# Altium PCB DA14580.PcbDoc
Units mm, origin at the board's own origin, x right, y up, seen from the top; angles counter-clockwise.
Board outline 25.19 x 29.52 mm, 2 copper layers (Top Layer, Bottom Layer); 51 components, 31 nets, 171 pads, 104 vias.
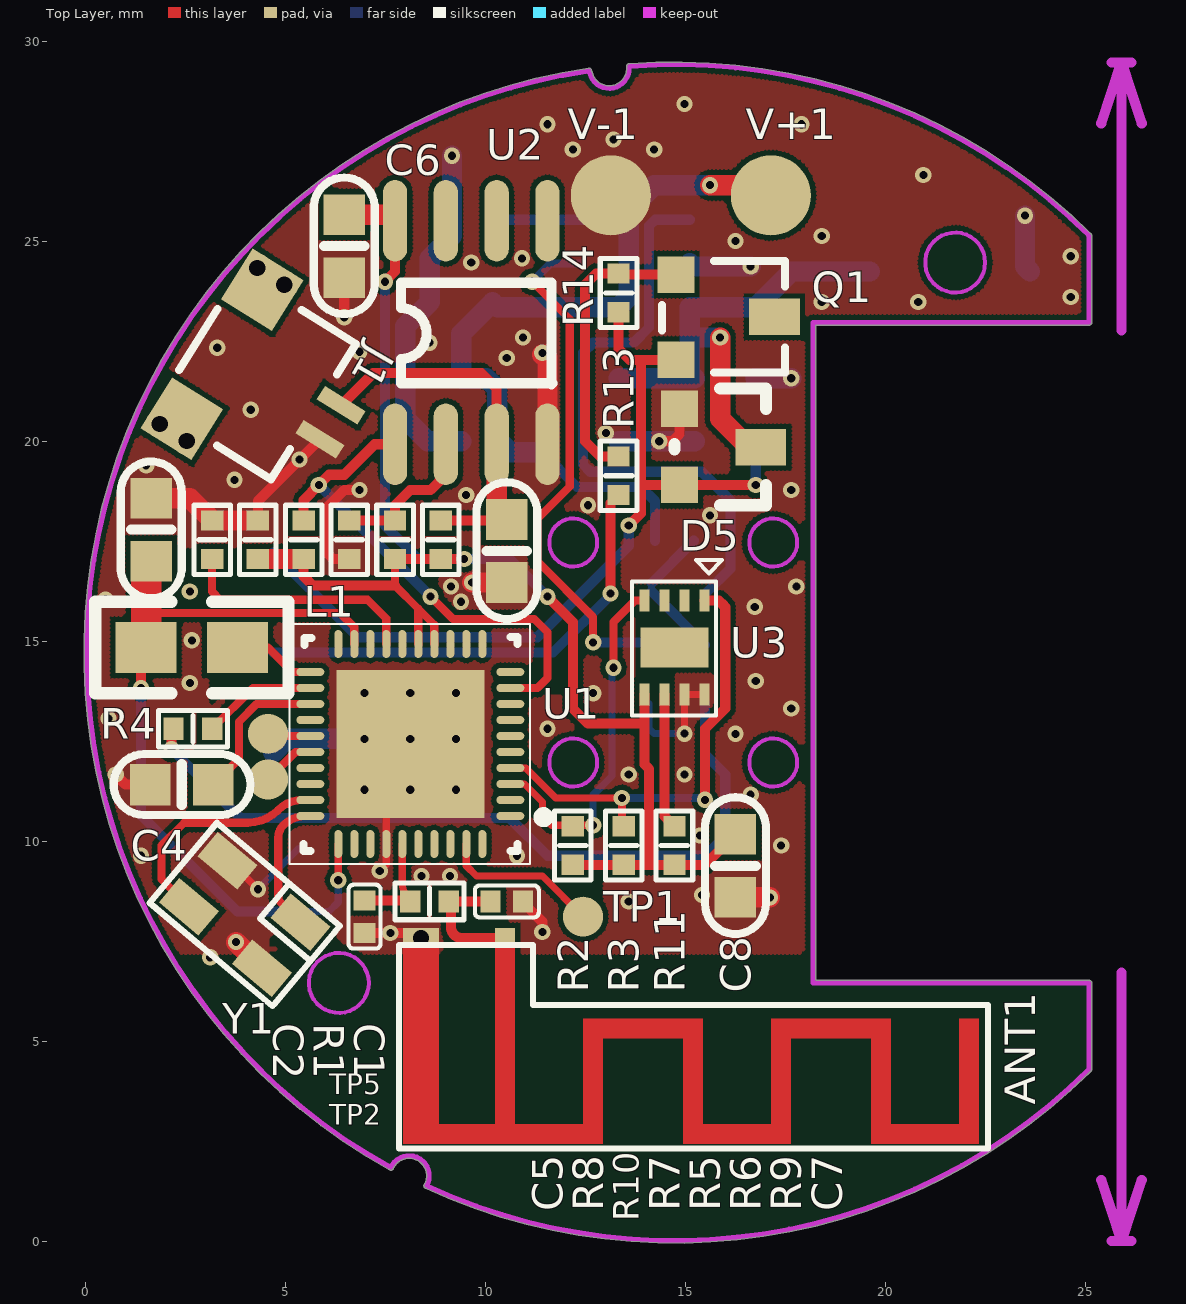
[diagram p0: Top Layer view]
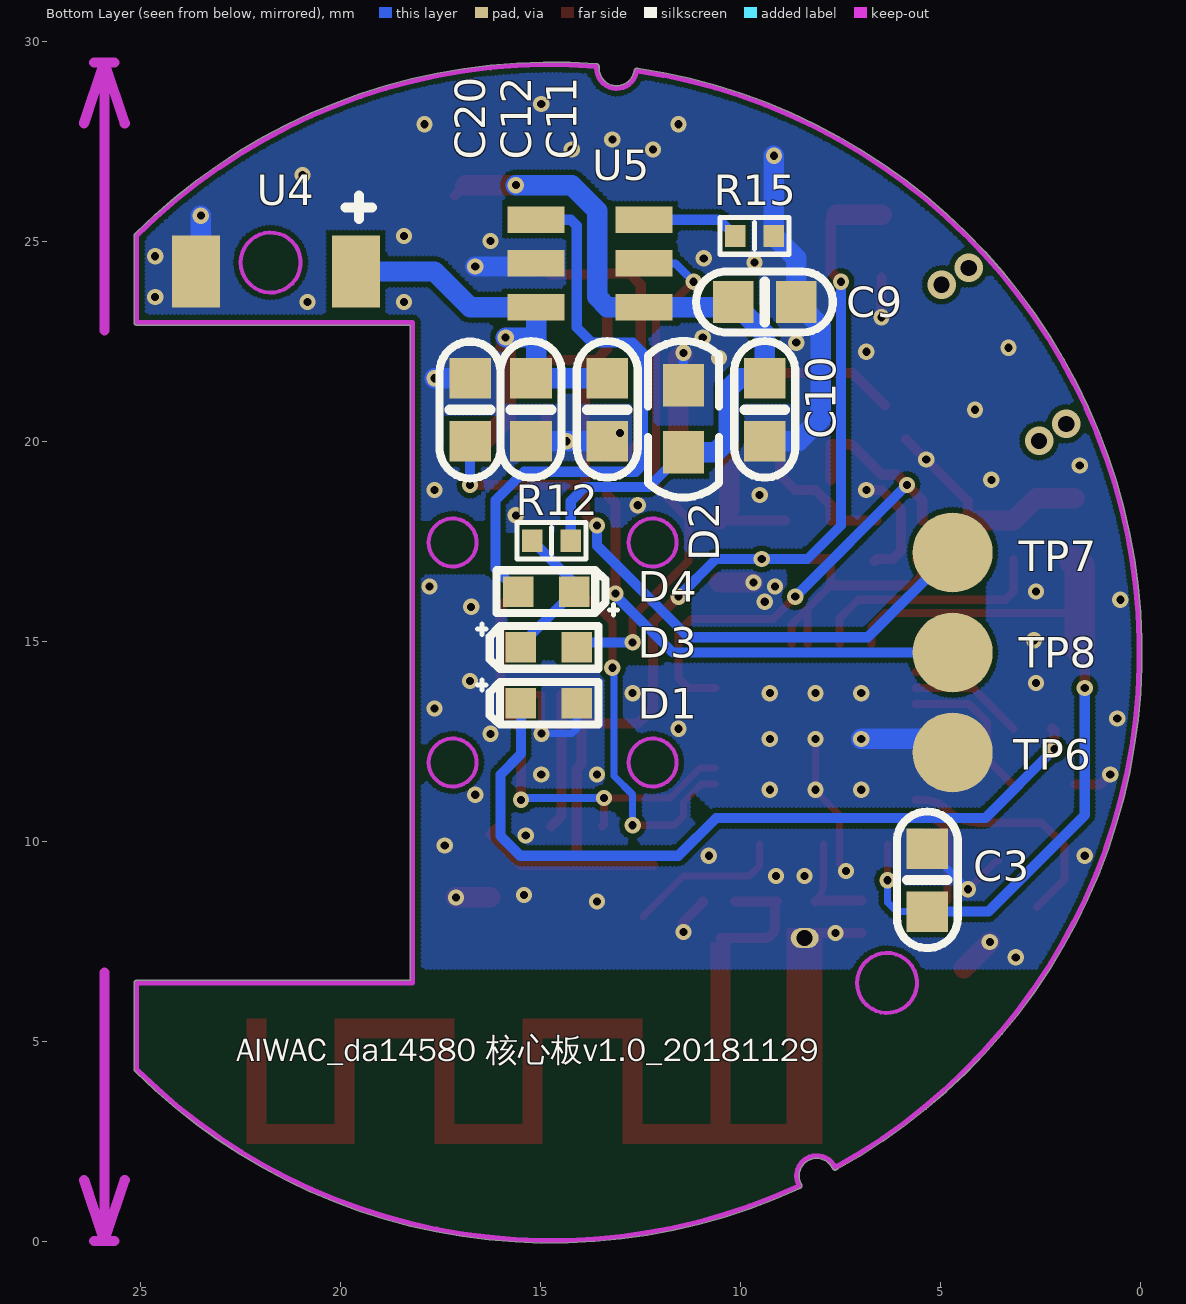
[diagram p1: Bottom Layer view, seen from below]

## Layer stack, top to bottom
Top Solder: solder mask 0.0102, Solder Resist, Dk 3.5
Top Layer: signal copper 0.0356
Dielectric 1: dielectric 0.32, FR-4, Dk 4.8
Bottom Layer: signal copper 0.0356
Bottom Solder: solder mask 0.0102, Solder Resist, Dk 3.5

## Board outline
8.527,1.337 cw(c8.533,1.401) 8.478,1.433 ccw(c8.1,1.651) 8.536,1.651 ccw(c8.1,1.651) 7.703,1.831 cw(c7.645,1.857) 7.6,1.811 cw(c7.605,1.875) 7.574,1.819 cw(c14.732,14.732) 12.585,29.339 cw(c12.595,29.276) 12.659,29.276 cw(c12.595,29.276) 12.658,29.266 cw(c12.614,29.22) 12.676,29.235 ccw(c13.1,29.337) 13.536,29.337 cw(c13.6,29.337) 13.544,29.368 cw(c13.604,29.389) 13.599,29.452 cw(c14.732,14.732) 25.135,25.208 cw(c25.09,25.163) 25.145,25.195 cw(c25.1,25.15) 25.164,25.15 25.164,22.982 cw(c25.1,22.982) 25.1,22.918 18.264,22.918 18.264,6.536 25.1,6.536 cw(c25.1,6.472) 25.164,6.472 cw(c25.1,6.472) 25.161,6.452 25.161,6.451 cw(c25.1,6.431) 25.164,6.431 25.164,4.313 cw(c25.1,4.313) 25.13,4.256 cw(c25.071,4.283) 25.116,4.237 cw(c14.732,14.732) 8.539,1.33 cw(c8.566,1.388)

## Design rules (kind name [scope] priority, off if disabled: settings)
Clearance [All] p1: gap=0.127
HoleToHoleClearance [All] p1: gap=0.152 allowstackedmicrovias=TRUE
MinimumSolderMaskSliver [All] p1: minsoldermaskwidth=0.152
PolygonConnect [All] p1: connectstyle=Direct reliefconductorwidth=0.254 reliefentries=4 polygonreliefangle="90 Angle" airgapwidth=0.254
RoutingVias [All] p1: holewidth=0.203 width=0.406 viastyle="Through Hole" minholewidth=0.203 minwidth=0.406 maxholewidth=0.305 maxwidth=0.61
SilkToSilkClearance [All] p1: silktosilkclearance=0
SilkToSolderMaskClearance [IsPad] p1: minsilkscreentomaskgap=0 clearancetoexposedcopper=TRUE
SolderMaskExpansion [All] p1: expansion=0.102
Width [All] p1: maxlimit=0.508 minlimit=0.203 preferedwidth=0.254
26 further rules are at their usual default settings.

## Components (designator, comment, footprint, x,y, rotation, side; value= is the part's Value field where it differs from the comment)
ANT1 "IPEX" IFA 8.4,7.594 r0 top locked
C1 "NC" C0402 10.541,8.509 r0 top locked
C2 "NC" C0402 6.985,8.128 r90 top locked
C3 "105K16V" C0603 5.334,9.042 r270 bottom locked
C4 "105K16V" C0603 2.413,11.43 r180 top locked
C5 "105K16V" C0603 1.651,17.805 r90 top locked
C6 "105K16V" C0603 6.477,24.892 r270 top locked
C7 "105K16V" C0603 10.541,17.272 r270 top locked
C8 "105K16V" C0603 16.256,9.398 r270 top locked
C9 "105K16V" C0603 9.398,23.495 r180 bottom locked
C10 "105K16V" C0603 9.398,20.803 r270 bottom locked
C11 "105K16V" C0603 13.335,20.803 r270 bottom locked
C12 "105K16V" C0603 15.24,20.803 r270 bottom locked
C20 "105K16V" C0603 16.764,20.803 r90 bottom locked
D1 "LED0603G" HS_0603D 14.795,13.462 r180 bottom locked
D2 "D-TVS" 0603C 11.43,19.739 r90 bottom locked
D3 "LED0603G" HS_0603D 14.795,14.859 r180 bottom locked
D4 "LED0603G" HS_0603D 14.859,16.256 r0 bottom
D5 "65Z5" U-SOT-23-3 14.859,20.828 r270 top locked
J1 "CON2" J-SH1.0-T-1-LT-2A 5.869,20.066 r58 top locked
L1 "2.2UH" 0805 3.81,14.859 r180 top locked
Q1 "AO3401 SOT-23" SOT23-AO3401 16.002,23.114 r270 top locked
R1 "10R" R0402 8.611,8.509 r180 top locked
R2 "4.7K" R0402 12.192,9.906 r270 top locked
R3 "4.7K" R0402 13.462,9.906 r270 top locked
R4 "1K" R0402 2.692,12.827 r180 top locked
R5 "3.6k" R0402 6.604,17.551 r270 top locked
R6 "4.3k" R0402 7.747,17.551 r270 top locked
R7 "10K" R0402 5.461,17.551 r270 top locked
R8 "710K" R0402 3.175,17.551 r270 top locked
R9 "10K" R0402 8.89,17.551 r270 top locked
R10 "7.15K" R0402 4.318,17.551 r270 top locked
R11 "50K" R0402 14.732,9.906 r270 top locked
R12 "1K" R0402 14.732,17.526 r180 bottom
R13 "1M" R0402 13.335,19.152 r90 top locked
R14 "1M" R0402 13.335,23.724 r90 top locked
R15 "2.2K" R0402 9.652,25.146 r0 bottom locked
TP1 "SIP1-1mm" "SIP - 1MM" 12.446,8.128 r90 top locked
TP2 "SIP1-1mm" "SIP - 1MM" 4.572,11.557 r90 top locked
TP5 "SIP1-1mm" "SIP - 1MM" 4.572,12.7 r90 top locked
TP6 "TP" SIP-2MM#1 4.826,11.938 r180 bottom locked
TP7 "TP" SIP-2MM#2 4.064,18.669 r180 bottom locked
TP8 "TP" SIP-2MM#3 3.81,14.732 r180 bottom locked
U1 "DA14580" QFN40P500*500_HS-41N 10.628,10.646 r180 top locked
U2 "LM393" SO-8S 9.652,22.733 r90 top locked
U3 "SHT30" "SHT30 DL7DV9" 14.732,14.859 r270 top locked
U4 "BATTERY" "BAT 4mm" 19.622,24.257 r0 bottom locked
U5 "TP4067" SOT23-6 15.113,25.552 r90 bottom locked
V+1 "TP" SIP-2MM#4 17.78,26.162 r0 top locked
V-1 "TP" SIP-2MM#5 13.462,26.162 r0 top locked
Y1 "CY_3225" CY_3225 4.621,7.238 r140 top locked (schematic designator 1)

## Footprints (in the part's own frame and the unit in brackets; to place one, negate y for a bottom-side part, rotate by r counter-clockwise, add the part's x,y. Pads: shape width x height; smd on the part's side, far side on the other; paste and mask are expansions set on the pad)
0603C [mil]
  rect 42x40 smd: 1(0,0) 2(66,0)
  silkscreen extent -44,-35 109,35
0805 [mil]
  rect 60x50 smd: 1(0,0) 2(90,0)
  silkscreen extent -50,-45 140,45
"BAT 4mm" [mm]
  rect 1.2x1.8 smd: 1(0,0) 2(4,0)
  silkscreen extent -0.41,-1.91 0.25,-1.32
C0402 [mil]
  rect 20x22 smd: 1(-16,0) 2(16,0)
  silkscreen extent -32,-16 32,16
C0603 [mil]
  rect 40x41 smd: 1(-31,0) 2(31,0)
  silkscreen extent -68,-30 67,30, body extent -30,-15 32,17, height 12
CY_3225 [mm]
  rect 1.3x0.8 smd: 1(-0.102,-1.067) 2(2.286,-1.067) 3(2.286,0.432) 4(-0.102,0.432)
  silkscreen extent -0.91,-1.63 3.1,0.99
HS_0603D [mil]
  rect 30x30 smd: 1(-27.5,0) 2(27.5,0)
  silkscreen extent -70,-21 49,23
IFA [mm]
  rect 0.5x0.5 smd mask+0.003: 1(2.1,0)
  rect 0.9x0.5 smd mask+0.003: 2(0,0)
  rect 0.9x0.5 on Top Solder mask+0.003: 2(0,0)
  oval 0.7x0.5 hole 0.4 mask+0.01: 2(0,0)
  rect 0.5x0.5 on Top Solder mask+0: ""(0.2,-4.9)
  rect 0.5x0.5 on Top Solder mask+0.003: ""(2.1,-4.4) ""(2.1,0) ""(4.3,-4.9) ""(4.3,-2.26) ""(6.8,-4.9) ""(6.8,-2.26) ""(9,-4.9) ""(9,-2.26) ""(11.5,-4.9) ""(11.5,-2.26) ""(13.7,-4.9) ""(13.7,-2.26)
  Top Layer region: 13.45,-2.01 13.45,-5.15 13.95,-5.15 13.95,-2.01
  Top Layer region: 11.25,-4.65 11.25,-5.15 13.95,-5.15 13.95,-4.65
  Top Layer region: 11.75,-2.51 11.75,-2.01 9.048,-2.01 9.048,-2.51
  Top Layer region: 11.25,-2.01 11.25,-5.15 11.75,-5.15 11.75,-2.01
  Top Layer region: 4.05,-2.01 4.05,-5.15 4.55,-5.15 4.55,-2.01
  Top Layer region: 1.849,-0.093 1.849,-4.9 2.35,-4.9 2.35,-0.093
  Top Layer region: -0.45,0.25 -0.45,-5.15 0.449,-5.15 0.449,0.25
  Top Layer region: 4.05,-2.01 4.05,-2.51 7.05,-2.51 7.05,-2.01
  Top Layer region: 6.549,-2.01 6.549,-5.15 7.051,-5.15 7.051,-2.01
  Top Layer region: 6.549,-4.65 6.549,-5.151 9.25,-5.151 9.25,-4.65
  Top Layer region: 8.75,-2.01 8.75,-5.15 9.25,-5.15 9.25,-2.01
  Top Layer lines w0.5: 0.2,-4.9 4.3,-4.9
  silkscreen extent -0.56,-5.26 14.17,-0.18
J-SH1.0-T-1-LT-2A [mm]
  rect 0.4x1.2 smd: 1(0,0) 2(1,0)
  rect 1.5x1.5 smd: 3(-1.4,3.2) 3(2.4,3.2)
  silkscreen extent -1.5,0.5 2.5,3.9
QFN40P500*500_HS-41N [mm] "QFN, 44-Leads, Body 5.00x5.00mm, Pitch 0.40mm, Thermal Pad 2.45x2.45mm, IPC Medium Density"
  oval 0.7x0.2 smd: 1(0,0) 2(0,-0.4) 3(0,-0.8) 4(0,-1.2) 5(0,-1.6) 6(0,-2) 7(0,-2.4) 8(0,-2.8) 9(0,-3.2) 10(0,-3.6) 21(5,-3.6) 22(5,-3.2) 23(5,-2.8) 24(5,-2.4) 25(5,-2) 26(5,-1.6) 27(5,-1.2) 28(5,-0.8) 29(5,-0.4) 30(5,0)
  oval 0.2x0.7 smd: 11(0.7,-4.3) 12(1.1,-4.3) 13(1.5,-4.3) 14(1.9,-4.3) 15(2.3,-4.3) 16(2.7,-4.3) 17(3.1,-4.3) 18(3.5,-4.3) 19(3.9,-4.3) 20(4.3,-4.3) 31(4.3,0.7) 32(3.9,0.7) 33(3.5,0.7) 34(3.1,0.7) 35(2.7,0.7) 36(2.3,0.7) 37(1.9,0.7) 38(1.5,0.7) 39(1.1,0.7) 40(0.7,0.7)
  rect 3.7x3.7 smd: 41(2.5,-1.8)
  silkscreen extent -0.95,-4.8 5.52,1.2
R0402 [mil]
  rect 20x22 smd: 1(-19,0) 2(19,0)
  silkscreen extent -34,-18 34,18
"SHT30 DL7DV9" [mm]
  rect 0.55x0.25 smd: 1(-1.175,0.75) 2(-1.175,0.25) 3(-1.175,-0.25) 4(-1.175,-0.75) 5(1.175,-0.75) 6(1.175,-0.25) 7(1.175,0.25) 8(1.175,0.75)
  rect 1x1.7 smd: 9(0,0)
  silkscreen extent -2.18,-1.07 1.7,1.19
"SIP - 1MM" [mm]
  round 1 smd: 1(0,0)
SIP-2MM#1 [mm]
  round 2 smd: 0(0.126,0.294)
SIP-2MM#2 [mm]
  round 2 smd: 0(-0.636,-1.437)
SIP-2MM#3 [mm]
  round 2 smd: 0(-0.89,0)
SIP-2MM#4 [mm]
  round 2 smd: 0(-0.638,0)
SIP-2MM#5 [mm]
  round 2 smd: 0(-0.32,0)
SO-8S [mil]
  oval 80x24 smd: 1(-110,75) 2(-110,25) 3(-110,-25) 4(-110,-75) 5(110,-75) 6(110,-25) 7(110,25) 8(110,75)
  silkscreen extent -51,-80 49,69
SOT23-6 [mil]
  rect 26x56 smd: 1(0,0) 2(-43,0) 3(-86,0) 4(-86,-106) 5(-43,-106) 6(0,-106)
SOT23-AO3401 [mil]
  rect 36x50 smd: D(-0.44,48.5)
  rect 36x36 smd: G(-42,-48.5) S(42,-48.5)
  silkscreen extent -55,-62 55,59
U-SOT-23-3 [mil]
  rect 36x36 smd: 1(0,0) 2(75,0)
  rect 36x50 smd: 3(38,80)
  silkscreen extent -20,-5 95,85, body extent -20,-10 95,90, height 50

## Part data
ANT1: library part J-IPEX
C1 C2: library part C0402X7R-101J10V, "贴片电容-陶瓷"
C3 C4 C5 C6 C7 C8 C9 C10 C11 C12 C20: library part C0603X7R-105K16V, "贴片电容-陶瓷"
D1 D3 D4: library part DLED-0603-G, "贴片二极管-LED"
J1: "Connector"
L1: library part INDUCTOR
Q1: library part "2321 SOT-23", "MOS管"
R1 R2 R3 R4 R5 R6 R7 R8 R9 R10 R11 R12 R13 R14 R15: library part R0402-1KF, "贴片电阻-通用"
TP1 TP2 TP5: library part SIP1-2mm
U1: "bluetooth"

## Via types
v1: diameter 0.406, hole 0.203, Top Layer to Bottom Layer, tented both sides, 98 vias
v2: diameter 0.711, hole 0.406, Top Layer to Bottom Layer, tented both sides, 4 vias
v3: diameter 0.406, hole 0.203, Top Layer to Bottom Layer, 2 vias

## Nets (pads, with @x,y where several pads share a name; then routed paths per layer and width w, separated by ;. In a path a pad name is that pad's centre, name@x,y a point inside that pad or via, vN(x,y) a via of type N, cw(c..) or ccw(c..) an arc to the next point about the centre after c; other vN are vias at no path point)
DO: R7.1 U1.9 U2.1 | length 13.7
  Top Layer w0.203: v1(8.636,16.129) 9.195,15.57 11.227,15.57 11.557,15.24 11.557,14.097 11.306,13.846 U1.9
  Top Layer w0.254: R7.1 5.461,18.542 v3(5.842,18.923) 6.096,19.177 6.477,19.177 7.239,19.939 U2.1 U2.1@7.747,19.05
  Bottom Layer w0.254: v3(5.842,18.923) v1(8.636,16.129)
GND: ANT1.2@8.4,7.594 C1.2 C2.1 C3.1 C4.2 C5.2 C6.2 C7.2 C8.2 C9.2 C10.2 C11.2 C12.2 C20.2 D1.2 D2.2 D5.1 J1.1 R5.2 R8.1 R10.1 R15.1 TP6.0 U1.34 U1.41 U2.4 U3.7 U3.8 U4.2 U5.2 V-1.0 Y1.2 Y1.4 | length 45.8
  Top Layer w0.178: Y1.2 3.607,9.525 v1(4.318,8.814) ; v1(7.366,9.271) 7.528,9.433 U1.34 7.528,10.668 8.128,11.268 v1(8.128,11.303) U1.41 ; v1(14.982,12.704) U3.7 U3.8
  Top Layer w0.254: v1(0.762,11.684) 1.016,11.43 C4.2 ; R10.1 4.318,18.515 v1(5.361,19.558) J1.1 ; v1(6.477,23.114) C6.2 ; R5.2@6.655,17.018 R5.2 6.198,17.069 5.994,17.272 5.994,18.317 6.473,18.796 v1(6.858,18.796) ; C2.1 v1(7.629,7.722) 8.272,7.722 cw(c8.272,7.594) ANT1.2@8.4,7.594 ; C1.2 10.947,8.484 11.43,8.001 v1(11.43,7.747) ; v1(14.351,20.015) 14.681,20.015 14.859,20.193 D5.1
  Top Layer w0.508: C5.2 2.616,18.593 R8.1 R10.1 ; v1(3.771,7.493) Y1.4 ; v1(9.677,16.485) C7.2 ; v1@11.43,22.174 11.481,22.174 11.557,22.098 U2.4 ; C8.2 v1(17.12,8.611)
  Bottom Layer w0.178: v1(4.318,8.814) C3.1 ; D1.2 14.097,12.827 14.22,12.704 v1(14.982,12.704)
  Bottom Layer w0.254: D2.2 v1(11.43,22.225)
  Bottom Layer w0.508: TP6.0 5.041,12.573 v1(6.985,12.573) ; v1(9.169,27.153) R15.1 8.611,24.587 C9.2 8.001,22.885 8.001,20.574 8.56,20.015 C10.2 ; C11.2 v1(14.351,20.015) C12.2 ; U5.2 15.189,24.384 v1(16.637,24.384) ; C20.2 v1(17.653,21.59) ; v1(23.495,25.654) 23.495,24.384 U4.2
  other v1: 3.124,7.112 13.589,8.509 15.418,8.668 8.407,9.144 9.119,9.144 1.397,9.652 10.795,9.652 17.399,9.906 15.373,10.16 16.637,11.176 6.985,11.303 9.271,11.303 13.589,11.684 14.986,11.684 8.128,12.573 9.271,12.573 16.256,12.7 11.557,12.827 0.584,13.081 17.653,13.335 6.985,13.716 8.128,13.716 9.271,13.716 12.7,13.716 2.616,13.97 16.764,14.021 2.667,15.037 16.739,15.875 9.398,16.002 0.508,16.053 2.616,16.256 9.144,16.383 17.78,16.383 15.621,18.161 12.573,18.415 9.525,18.669 17.653,18.796 3.734,19.05 1.524,19.406 13.017,20.218 4.14,20.803 10.541,22.098 6.858,22.25 3.302,22.352 8.611,22.479 10.947,22.606 18.415,23.495 20.828,23.495 24.638,23.622 9.652,24.486 10.922,24.587 24.638,24.638 16.256,25.019 18.415,25.146 20.955,26.67 12.192,27.305 14.224,27.305 13.208,27.559 11.557,27.94 17.907,27.94 14.986,28.448
NetANT1_1: ANT1.1 C1.1 R1.1 | length 3.2
  Top Layer w0.254: C1.1 R1.1 cw(c9.093,8.458) 9.144,8.458 9.144,7.874 ccw(c9.424,7.874) 9.424,7.594 ANT1.1
NetC2_2: C2.2 R1.2 U1.35 | length 2.6
  Top Layer w0.178: U1.35 7.928,8.992 ccw(c8.611,8.992) R1.2
  Top Layer w0.254: C2.2 8.103,8.534 R1.2
NetC3_2: C3.2 C5.1 L1.2 U1.19 U1.31 | length 19.8
  Top Layer w0.178: v1(6.328,9.039) U1.31
  Top Layer w0.203: 1.524,15.875 1.676,15.723 6.375,15.723 6.728,15.37 U1.19
  Top Layer w0.254: v1(1.397,13.843) 1.397,14.732 L1.2
  Top Layer w0.762: L1.2 1.524,15.875 1.524,16.891 C5.1
  Bottom Layer w0.178: C3.2 6.096,8.255 6.328,8.487 v1(6.328,9.039)
  Bottom Layer w0.254: v1(1.397,13.843) 1.397,10.668 3.81,8.255 C3.2
NetC4_1: C4.1 U1.23 | length 3.8
  Top Layer w0.203: C4.1 3.843,12.073 3.843,13.002 4.288,13.446 U1.23
NetC7_1: C7.1 J1.2 R9.1 U2.3 | length 9.4
  Top Layer w0.203: C7.1@10.516,18.034 C7.1
  Top Layer w0.254: J1.2 7.202,21.717 9.906,21.717 10.287,21.336 U2.3 ; R9.1 C7.1@10.516,18.034
  Top Layer w0.508: U2.3 10.287,18.313 C7.1
NetC20_1: C20.1 D5.2 Q1.S R14.1 TP7.0 | length 21.9
  Top Layer w0.254: R14.1 13.335,22.327 13.614,22.047 13.843,22.047 ; v1(13.589,17.907) 13.894,18.212 13.894,18.923 ; Q1.S 13.843,22.047 ; v1(16.764,18.923) D5.2 13.894,18.923 ; 13.843,22.047 13.894,21.996 13.894,18.923
  Bottom Layer w0.254: TP7.0 6.819,15.113 11.303,15.113 13.589,17.399 v1(13.589,17.907) ; v1(16.764,18.923) C20.1
NetD1_1: D1.1 R4.2 | length 19.2
  Top Layer w0.254: v1(2.159,12.319) 2.159,12.776 R4.2
  Bottom Layer w0.254: v1(2.159,12.319) 3.886,10.592 10.617,10.592 11.557,9.652 15.512,9.652 16.002,10.142 16.002,11.684 15.494,12.192 D1.1
NetD3_1: D3.1 D4.1 R12.1 | length 3.7
  Bottom Layer w0.178: D4.1 D4.1@14.16,16.472 ; D3.1 D3.1@15.494,14.922
  Bottom Layer w0.254: D4.1 D3.1@15.494,14.922 ; D4.1@14.16,16.472 R12.1
NetD3_2: D3.2 U5.5 | length 13.2
  Top Layer w0.203: v1(11.176,24.003) 12.116,23.063 12.116,18.879 11.303,18.066 11.303,17.018 12.7,15.621 v1(12.7,14.986)
  Bottom Layer w0.203: v1(11.176,24.003) 11.633,24.46 U5.5
  Bottom Layer w0.254: v1(12.7,14.986) 13.97,14.986 D3.2
NetD4_2: D4.2 U5.1 | length 14.9
  Bottom Layer w0.254: U5.1 14.249,25.552 14.097,25.4 14.097,22.86 13.716,22.479 12.7,22.479 12.446,22.225 12.446,19.431 12.624,19.253 15.418,19.253 16.129,18.542 16.129,16.828 D4.2
NetL1_1: L1.1 U1.21 | length 2.1
  Top Layer w0.203: L1.1 4.572,14.859 5.185,14.246 U1.21
NetQ1_G: Q1.G R13.2 R14.2 | length 7.3
  Top Layer w0.254: R13.2 12.878,19.634 12.497,20.015 12.497,23.927 12.776,24.206 R14.2 13.36,24.181 Q1.G
NetR4_1: R4.1 U1.22 | length 2.9
  Top Layer w0.203: R4.1 4.194,13.846 U1.22
NetR5_1: R5.1 R6.1 U2.2 | length 3.9
  Top Layer w0.254: R5.1 R6.1 7.747,18.415 8.128,18.796 8.636,18.796 9.017,19.177 U2.2
NetR8_2: R8.2 U1.17 | length 6.1
  Top Layer w0.203: R8.2 3.175,16.256 3.378,16.053 7.061,16.053 7.528,15.586 U1.17
NetR11_1: R11.1 U3.6 | length 3.4
  Top Layer w0.254: U3.6 14.482,10.639 R11.1
NetR13_1: R13.1 TP8.0 | length 11.6
  Top Layer w0.254: v1(13.132,16.205) 13.132,18.466 R13.1
  Bottom Layer w0.254: TP8.0 11.696,14.732 13.132,16.168 v1(13.132,16.205)
NetR15_2: R15.2 U5.6 | length 2.5
  Bottom Layer w0.254: R15.2 10.541,25.552 U5.6
NetTP1_1: TP1.1 U1.39 | length 4
  Top Layer w0.178: U1.39 9.528,9.401 9.785,9.144 11.43,9.144 TP1.1
NetTP2_1: TP2.1 U1.26 | length 1.3
  Top Layer w0.203: TP2.1 5.261,12.246 U1.26
NetTP5_1: TP5.1 U1.25 | length 1.1
  Top Layer w0.203: TP5.1 4.626,12.646 U1.25
NetU1_29: U1.29 Y1.3 | length 5.9
  Top Layer w0.203: Y1.3 1.905,9.065 1.905,9.906 2.477,10.478 4.064,10.478 ccw(c4.064,11.552) 4.823,10.792 4.826,10.795 cw(c5.432,10.189) 5.432,11.046 U1.29
NetU1_30: U1.30 Y1.1 | length 3.4
  Top Layer w0.203: Y1.1 4.826,8.549 4.826,10.107 cw(c5.26,10.107) 4.953,10.414 cw(c5.513,9.854) 5.513,10.646 U1.30
SCLK: R2.1 U1.3 U3.4 | length 9
  Top Layer w0.178: U1.3 10.983,11.446 11.43,10.999 11.43,10.643 11.659,10.414 v1(12.7,10.414)
  Top Layer w0.203: v1(13.208,14.351) 13.208,15.494 13.748,16.034 U3.4
  Bottom Layer w0.178: v1(12.7,10.414) 12.7,11.176 13.17,11.646 13.17,14.313 v1(13.208,14.351)
SDA: R3.1 U1.4 U3.1 | length 11.5
  Top Layer w0.178: U1.4 11.014,11.846 11.766,11.094 v1(13.417,11.094)
  Top Layer w0.203: v1(13.417,11.094) 13.417,10.434 R3.1
  Top Layer w0.254: U3.1 15.843,16.034 15.951,15.926 15.951,15.914 16.002,15.863 16.002,13.335 15.494,12.827 v1(15.494,11.049)
  Bottom Layer w0.203: v1(13.417,11.094) 15.449,11.094 v1(15.494,11.049)
VBAT: C11.1 C12.1 D5.3 U4.1 U5.3 | length 12.7
  Top Layer w0.508: v1(15.875,22.606) 15.875,20.574 16.586,19.863 D5.3
  Bottom Layer w0.508: C11.1 C12.1 15.113,21.717 15.113,22.606 ; v1(15.875,22.606) 15.113,22.606 ; U4.1 17.653,24.257 16.764,23.368 U5.3 15.113,22.606
VCC: C9.1 C10.1 D2.1 R12.2 U5.4 V+1.0 | length 19.7
  Top Layer w0.254: V+1.0@16.888,26.416 V+1.0
  Top Layer w0.508: v1(15.621,26.416) V+1.0@16.888,26.416
  Bottom Layer w0.254: C9.1 C9.1@10.312,23.368 ; D2.1 12.296,18.872 13.894,18.872 14.249,18.517 R12.2
  Bottom Layer w0.508: C9.1 9.398,22.708 C10.1 10.033,21.59 10.3,21.323 10.3,20.066 10.627,19.739 D2.1 ; C9.1@10.312,23.368 U5.4 13.335,23.368 13.589,23.622 13.589,25.781 14.224,26.416 v1(15.621,26.416)
VCC1: C6.1 C8.1 R2.2 R3.2 R6.2 R7.2 R9.2 R10.2 R11.2 U1.14 U1.15 U2.8 U3.5 | length 36.8
  Top Layer w0.203: R6.2 7.747,16.407 8.328,15.826 ; U1.15 8.328,15.826 ; U1.14 8.728,15.426 8.328,15.826
  Top Layer w0.254: R7.2 5.461,16.637 5.69,16.408 7.208,16.408 7.21,16.407 7.747,16.407 ; v3(7.493,24.003) 7.747,24.257 U2.8 U2.8@7.595,25.679 ; R6.2 R9.2 v1(9.474,17.069) ; v1(11.557,16.129) 12.192,15.494 12.192,13.335 12.573,12.954 13.982,12.954 ; R2.2 R3.2 14.097,9.423 ; U3.5 13.982,12.954 ; C8.1@16.129,10.312 C8.1 15.494,9.423 R11.2 14.097,9.423 ; 13.982,12.954 13.982,11.938 14.097,11.823 14.097,9.423
  Top Layer w0.508: R10.2 R7.2 ; C6.1 U2.8@7.595,25.679
  Bottom Layer w0.254: v3(7.493,24.003) 7.493,17.907 8.331,17.069 v1(9.474,17.069) 10.617,17.069 v1(11.557,16.129)
"VCC 1": Q1.D
pads on no net: ANT1. ANT1.2@8.4,7.594 J1.3 U1.1 U1.2 U1.5 U1.6 U1.7 U1.8 U1.10 U1.11 U1.12 U1.13 U1.16 U1.18 U1.20 U1.24 U1.27 U1.28 U1.32 U1.33 U1.36 U1.37 U1.38 U1.40 U2.5 U2.6 U2.7 U3.2 U3.3 U3.9
copper on no net:
  other v2: 2.54,20.023 1.862,20.447 4.978,23.924 4.299,24.348

## Polygon pours and split planes (outlines as drawn)
GND on Bottom Layer "AutoNaming" (hatched 90Degree grid 0.102 track 0.127, remove dead copper, pour order 52): -0.127,29.591 24.638,29.591 25.273,28.956 25.146,28.829 25.146,6.858 0,6.858 -0.635,7.493 -0.127,8.001 -0.127,29.337
GND on Top Layer "AutoNaming" (hatched 90Degree grid 0.102 track 0.127, remove dead copper, pour order 48): 0,29.591 0.127,29.464 25.273,29.464 25.273,8.128 24.384,7.239 -0.254,7.239 -0.254,29.21 0.127,29.591

## Keep-outs
Keep-Out Layer:
  circle w0.1: c12.2,11.982 r0.6
  circle w0.1: c12.2,17.482 r0.6
  circle w0.1: c17.2,11.982 r0.6
  circle w0.1: c17.2,17.482 r0.6
  circle w0.1: c6.34,6.472 r0.75
  circle w0.1: c21.75,24.482 r0.75
  lines w0.127: 7.605,1.875 cw(c14.732,14.732) 12.595,29.276 ; 7.645,1.857 cw(c8.1,1.651) 8.533,1.401 ; 8.566,1.388 ccw(c14.732,14.732) 25.071,4.283 ; 12.614,29.22 ccw(c13.1,29.337) 13.6,29.337 ; 13.604,29.389 cw(c14.732,14.732) 25.09,25.163 ; 18.2,6.472 25.1,6.472 ; 18.2,6.482 18.2,14.732 18.2,22.982 25.1,22.982 25.1,25.15 ; 25.1,4.313 25.1,6.431
  lines w0.254: 25.4,1.547 25.908,0.023 ; 25.4,27.963 25.908,29.487 ; 25.654,0.023 26.162,0.023 ; 25.654,29.487 26.162,29.487 ; 25.908,6.731 25.908,0.023 ; 25.908,22.779 25.908,29.487 ; 26.416,1.547 25.908,0.023 ; 26.416,27.963 25.908,29.487
  text "29.464 (mm)" at 26.822,6.985 h1.52 r90

## Other copper
Top Layer:
  pour cut-out: 8.636,16.129 8.89,16.383 8.89,17.069 8.078,17.069 7.747,16.738 7.747,16.129
  pour cut-out: 11.049,13.716 11.151,13.614 12.509,13.614 12.509,15.398 11.354,16.554
  pour cut-out: 3.048,14.605 3.048,13.462 3.175,13.335 3.556,13.716 4.064,13.716
  pour cut-out: 9.271,8.822 9.528,9.079 9.528,9.141 9.906,8.763 9.779,8.636 9.271,8.636
  pour cut-out: 6.096,7.874 6.604,7.366 5.461,7.366 5.08,6.985 4.699,7.366 4.547,7.366 4.547,7.595 4.953,8.001 5.08,7.874
  pour cut-out: 13.208,10.287 14.63,10.287 14.732,10.389 15.176,9.944 15.202,9.944 15.202,9.639 14.668,9.106 12.992,9.106 12.992,8.42 12.827,8.255 12.573,8.509 12.065,8.509 11.43,9.144 11.938,9.652 12.065,9.525 13.081,9.525 13.081,10.16
  pour cut-out: 4.623,7.315 4.623,7.366 4.826,7.366 5.08,7.62 5.08,7.874 4.826,8.128 4.699,8.128 4.699,7.442 4.623,7.366 4.623,7.188 4.699,7.112 4.763,7.175
  pour cut-out: 2.159,17.399 5.131,17.399 5.461,17.069 5.303,16.911 5.303,16.205 3.785,16.205 3.302,15.723 1.676,15.723 1.676,16.916
  pour cut-out: 3.429,14.351 3.429,13.081 4.064,13.716 4.699,13.716 4.699,13.97 4.318,14.351
  pour cut-out: 2.648,12.033 2.688,12.073 3.843,12.073 3.843,12.413 3.683,12.573 3.633,12.523 2.73,12.523 2.73,12.376 2.648,12.294 2.667,12.275 2.667,11.938
  pour cut-out: 9.525,6.858 9.398,6.985 8.89,6.985 8.89,7.963 8.763,8.09 8.763,8.509 8.801,8.509 9.525,7.785
  pour cut-out: 2.794,12.7 2.794,12.179 2.502,11.887
  pour cut-out: 9.271,8.382 10.287,8.382 10.579,8.09 10.579,7.673 10.5,7.594 9.424,7.594 9.424,7.721 9.144,8.001 9.144,8.458
  pour cut-out: 14.478,19.304 14.211,19.571 14.211,19.609 14.148,19.609 13.894,19.355 13.894,18.364 13.983,18.275 14.3,18.275 14.3,18.872 14.351,18.923
  pour cut-out: 12.878,19.634 13.386,19.634 13.716,19.304 13.716,18.796 12.865,18.796 12.878,18.809
Bottom Layer:
  pour cut-out: 12.192,12.446 13.056,13.31 13.17,13.195 13.17,12.319 12.319,12.319
  pour cut-out: 12.319,12.573 13.056,13.31 13.449,13.31
  pour cut-out: 12.7,10.414 12.909,10.414 13.589,11.094 13.17,11.513 13.17,12.192 12.827,11.849 12.827,11.557
  pour cut-out: 8.636,16.129 8.89,16.383 8.89,17.018 8.001,17.018 8.255,16.764 8.255,16.383
  pour cut-out: 3.81,17.145 3.81,15.24 4.318,14.732 7.2,14.732 4.787,17.145
  pour cut-out: 10.414,17.145 11.176,17.145 11.811,17.78 13.208,16.383 13.208,14.351 11.938,14.351 11.557,14.732 11.557,16.129 10.617,17.069
  pour cut-out: 14.351,17.78 16.142,17.78 16.447,18.085 18.124,18.085 18.2,18.161 18.2,16.916 17.921,16.637 15.748,16.637 15.24,16.129 15.875,16.129 15.875,14.732 15.621,14.478 14.224,14.478 14.224,17.501 14.249,17.526
  pour cut-out: 12.7,17.78 12.827,17.907 13.589,17.907 13.589,18.796 13.868,18.517 14.249,18.517 14.249,18.059 13.081,16.891 12.573,17.399 12.573,17.78
  pour cut-out: 11.938,20.193 12.319,20.574 12.446,20.574 12.446,19.485 12.065,19.104
  pour cut-out: 11.684,23.114 11.938,23.368 13.716,23.368 13.716,23.241 14.097,22.86 13.462,22.225 12.446,22.225 12.446,22.365 11.697,23.114
  pour cut-out: 11.303,10.541 11.303,11.176 11.176,11.303 10.414,10.541
  pour cut-out: 11.201,16.866 11.176,16.84 11.176,14.376 12.294,15.494 12.446,15.494 12.446,15.621
  pour cut-out: 11.557,25.552 11.836,25.273 13.335,25.273 13.335,23.368 11.695,23.368 11.39,23.673 11.405,23.687 11.405,24.232 11.633,24.46 11.557,24.536

## Silkscreen, mask and mechanical layers (free items; w line width, h text height)
Bottom Overlay:
  text "AIWAC_da14580 核心板v1.0_20181129" at 22.606,4.318 h1.02